# Allegro board com_v1_p3.brd (continued)
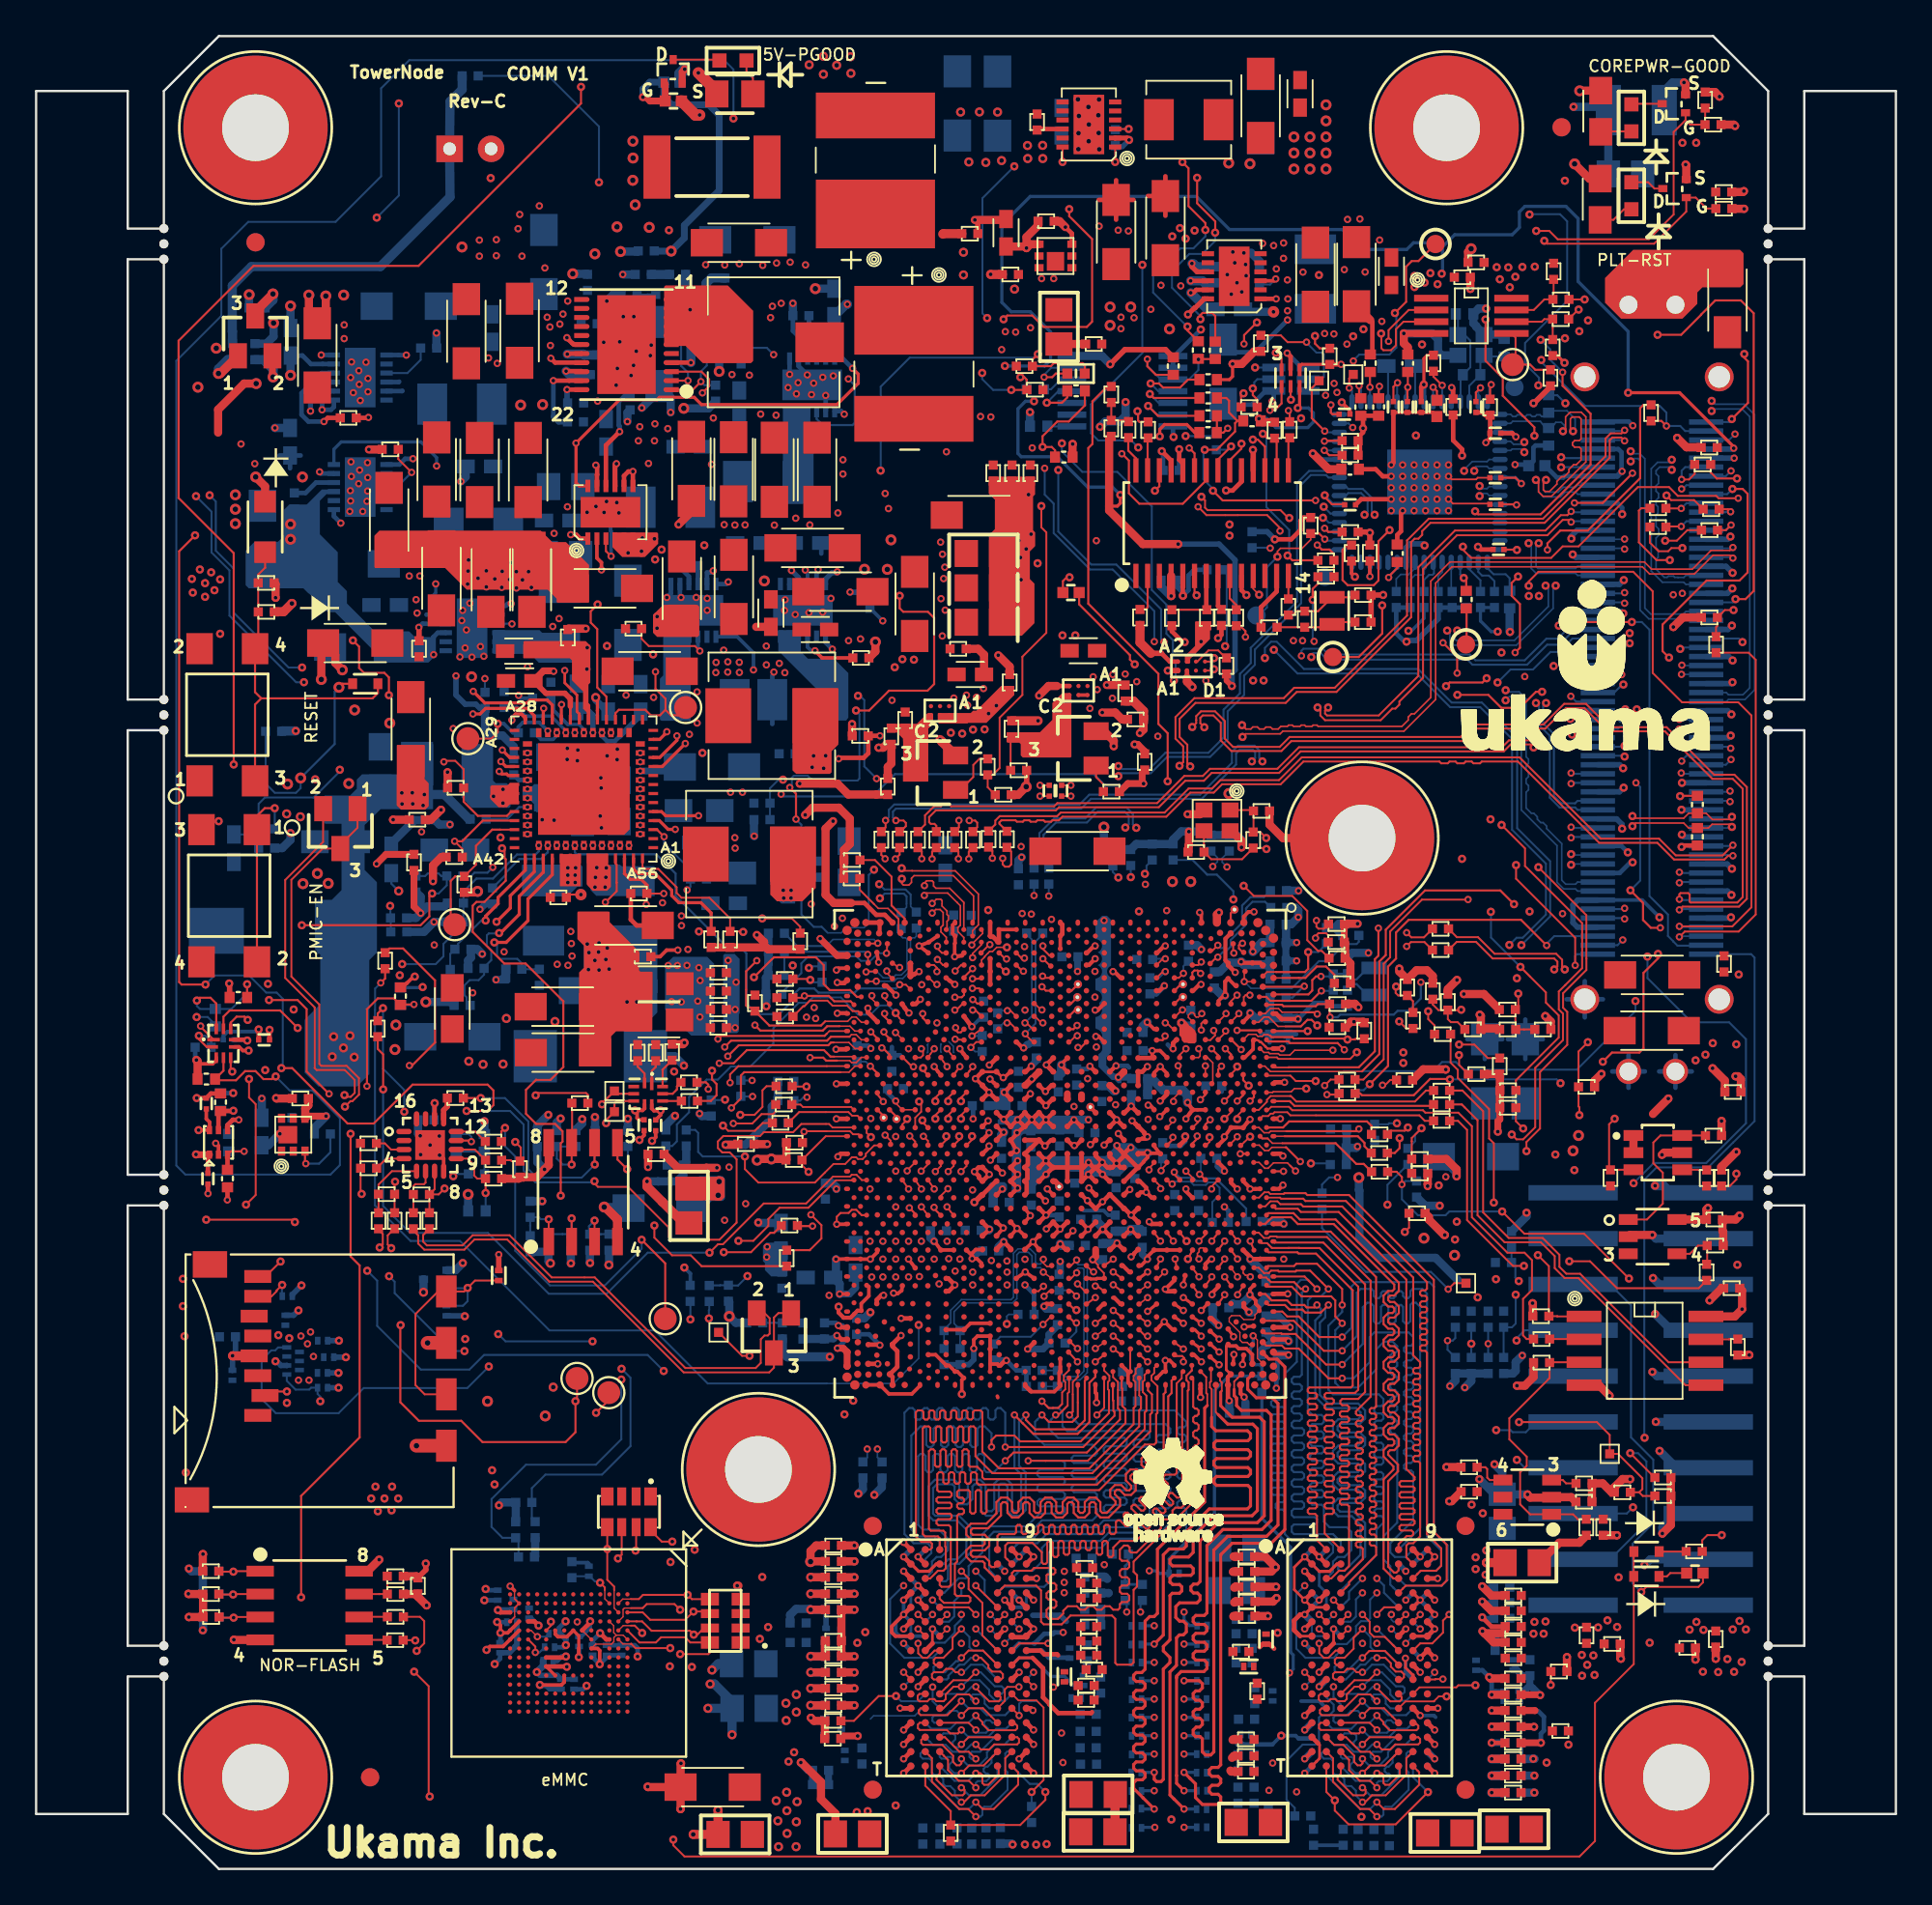
[diagram p0: board, top side]
## Routing (per net, layer and track width the routed paths; a pad name or vN(x,y) marks a point on that pad's centre or on a via; arc(x,y) is an arc through that point) (continued)
PCIE2_CLKP: length 68.5
  TOP w0.112: v1(64.74,63.29) 64.51,63.51 64.51,63.81 64.65,63.94 65.24,63.94 65.65,63.53 65.65,62.56 66.24,61.97 69.01,61.97 69.56,62.52 79.03,62.52 79.73,63.21 83.63,63.21 84.77,64.35 85.79,64.35 87.09,63.06 90.26,63.06 92.89,60.43 94.02,60.43 94.57,59.87 94.57,53.87 94.27,53.57 91.68,53.57 91.63,53.62 91.63,54.01 91.55,54.09 91.13,54.09 91.06,54.03 v2(91.06,53.75) ; U3C1.AK6 54.65,49.77 54.7,49.77 v2(54.71,49.76)
  L8_SIG4 w0.086: 57.97,53.49 57.97,53.48 57.98,53.42 57.95,53.39 57.95,52.56 56.38,50.99 56.38,50.17 56.1,49.89 55.34,49.89 55.17,50.05 55,50.05 v2(54.71,49.76)
  L8_SIG4 w0.119: v1(64.74,63.29) 64.52,63.07 64.52,62.62 64.19,62.29 62.64,62.29 61.92,61.57 59.04,61.57 57.97,60.5 57.97,53.49
  BOTTOM w0.112: J20.67 91.1,53.71 v2(91.06,53.75)
PCIE2_RXN: length 60
  TOP w0.112: v2(51.91,48.19) 51.93,48.19 52.15,47.97 U3C1.AP10
  L3_SIG1 w0.102: v2(51.91,48.19) 51.91,48.19 52.1,47.99 52.42,47.99 53.55,49.12 54.62,49.12 55.13,49.63 55.13,51.54 55.8,52.21 56.93,52.21 57.34,52.62
  L3_SIG1 w0.112: 57.34,53.49 57.34,52.62
  L3_SIG1 w0.119: v2(91.06,55.25) 90.88,55.07 86.78,55.07 86.22,55.63 86.22,57.87 85.66,58.43 82,58.43 76.97,63.45 74.53,63.45 71.36,66.62 66.32,66.62 63.11,63.41 63.11,62.97 60.18,60.04 58.85,60.04 57.34,58.52 57.34,53.49
  BOTTOM w0.112: J20.70 91.1,55.21 v2(91.06,55.25)
PCIE2_RXP: length 60
  TOP w0.112: v2(51.9,47.61) 52.04,47.61 U3C1.AP12
  L3_SIG1 w0.102: 57.55,52.62 57.55,52.6 57.54,52.6 57.54,52.54 57.42,52.41 57.41,52.41 57.01,52.01 55.89,52.01 55.33,51.46 55.33,49.54 54.71,48.92 53.63,48.92 52.5,47.79 52.08,47.79 v2(51.9,47.61)
  L3_SIG1 w0.112: 57.55,52.62 57.55,53.4 57.55,53.4 57.55,53.45 57.58,53.48 57.58,53.49
  L3_SIG1 w0.119: 57.58,53.49 57.58,58.42 58.95,59.8 60.28,59.8 63.35,62.87 63.35,63.29 66.44,66.38 71.26,66.38 74.43,63.21 76.87,63.21 81.9,58.19 85.56,58.19 85.98,57.77 85.98,55.53 86.68,54.83 90.9,54.83 v2(91.06,54.66)
  BOTTOM w0.112: v2(91.06,54.66) 91.1,54.71 J20.69
PCIE2_TXN: length 44.9
  TOP w0.112: C2B31.2 51.14,57.74 v2(51.14,58.12)
  L3_SIG1 w0.119: v2(85.06,57.16) 84.89,57.34 82.53,57.34 82.1,56.91 80.4,56.91 75.08,62.23 70.14,62.23 70.13,62.24 70.08,62.24 67.61,64.72 67.61,65.71 67.61,65.71 v1(67.44,65.88)
  L8_SIG4 w0.119: v1(67.44,65.88) 67.6,65.71 67.6,64.88 67.25,64.53 60.33,64.53 59.36,63.56 56.83,63.56 52.61,59.34 51.98,59.34 51.28,58.65 51.28,58.27 v2(51.14,58.12)
  BOTTOM w0.112: J20.14 85.1,57.21 v2(85.06,57.16)
PCIE2_TXP: length 44.9
  TOP w0.112: C2B32.2 51.92,57.51 52.15,57.75 52.15,58 52.04,58.12 v2(51.71,58.12)
  L3_SIG1 w0.119: v1(68.02,65.88) 67.85,65.71 67.85,64.82 70.2,62.47 75.18,62.47 80.5,57.15 81.99,57.15 82.43,57.59 84.89,57.59 84.89,57.6 84.91,57.6 v2(85.06,57.75)
  L8_SIG4 w0.119: v1(68.02,65.88) 67.86,65.71 67.86,64.77 67.36,64.27 60.43,64.27 59.46,63.3 56.92,63.3 52.7,59.09 52.08,59.09 51.54,58.54 51.54,58.29 v2(51.71,58.12)
  BOTTOM w0.112: J20.15 85.1,57.71 v2(85.06,57.75)
PCIE3_CLKN: length 60.5
  TOP w0.112: U3C1.AM4 53.7,50.44 v2(53.78,50.44)
  L3_SIG1 w0.086: 56.63,53.49 56.63,53.45 56.49,53.31 56.1,53.31 54.2,51.41 54.2,50.3 54.09,50.19 53.98,50.19 53.78,50.39 v2(53.78,50.44)
  L3_SIG1 w0.119: 56.63,53.49 56.63,57.06 54.07,59.62 54.07,60.68 57.09,63.7 57.09,66.12 60.85,69.88 71.29,69.88 75.8,65.38 77.21,65.38 79.17,63.42 82.89,63.42 83.24,63.78 83.24,64.5 v1(83.11,64.63)
  BOTTOM w0.112: J20.17 85.42,58.71 85.28,58.84 84.42,58.84 83.88,59.39 83.88,62.81 83.28,63.41 83.28,64.46 v1(83.11,64.63)
PCIE3_CLKP: length 60.5
  TOP w0.112: v1(53.74,49.75) 53.7,49.75 U3C1.AM6
  L3_SIG1 w0.086: 56.89,53.49 56.9,53.49 56.9,53.48 56.84,53.42 56.84,53.4 56.82,53.38 56.82,53.37 56.57,53.12 56.17,53.12 54.4,51.34 54.4,50.23 54.17,50 53.99,50 v1(53.74,49.75)
  L3_SIG1 w0.119: 56.89,53.49 56.89,53.5 56.89,57.16 54.32,59.73 54.32,60.58 57.34,63.6 57.34,66.02 60.96,69.64 71.18,69.64 75.68,65.14 77.11,65.14 79.07,63.18 83.01,63.18 83.5,63.67 83.5,64.45 v1(83.67,64.63)
  BOTTOM w0.112: v1(83.67,64.63) 83.51,64.46 83.51,63.5 84.11,62.9 84.11,59.48 84.52,59.07 85.28,59.07 85.42,59.21 J20.18
PCIE3_RXN: length 60.6
  TOP w0.112: v2(51.89,49.35) 52.34,49.35 U3C1.AP7
  L3_SIG1 w0.086: 54.03,53.49 54.03,52.17 53.23,51.38 53.23,50.29 53.23,50.23 53.21,50.21
  L3_SIG1 w0.102: v2(51.89,49.35) 52.03,49.2 52.21,49.2 53.21,50.21
  L3_SIG1 w0.119: 54.03,53.49 54.03,53.74 55.12,54.83 55.12,57.23 53.47,58.88 53.47,60.87 56.41,63.81 56.41,66.45 61.27,71.31 70.94,71.31 75.25,67 82.78,67 84.35,65.43 84.35,60.87 84.64,60.58 84.89,60.58 v2(85.06,60.75)
  BOTTOM w0.112: J20.21 85.1,60.71 v2(85.06,60.75)
PCIE3_RXP: length 60.6
  TOP w0.112: U3C1.AP9 52.26,48.81 v2(51.89,48.81)
  L3_SIG1 w0.086: 54.28,53.49 54.28,53.39 54.21,53.32 54.21,52.1 53.42,51.3 53.42,50.22 53.42,50.08 53.37,50.04
  L3_SIG1 w0.102: v2(51.89,48.81) 52.04,48.97 52.31,48.97 53.37,50.04
  L3_SIG1 w0.119: v2(85.06,60.16) 84.9,60.33 84.53,60.33 84.11,60.75 84.11,65.31 82.67,66.74 75.15,66.74 70.83,71.06 61.38,71.06 56.66,66.35 56.66,63.71 53.72,60.76 53.72,58.99 55.38,57.33 55.38,54.89 55.38,54.73 54.28,53.63 54.28,53.49
  BOTTOM w0.112: J20.20 85.1,60.21 v2(85.06,60.16)
PCIE3_TXN: length 47
  TOP w0.112: C2156.2 53.38,57.93 53.38,58.02 53.49,58.13 54.27,58.13 54.35,58.05 54.68,58.05 54.76,58.13 55.04,58.13 55.04,58.13 55.12,58.05 55.4,58.05 55.49,58.13 55.83,58.13 55.91,58.05 56.24,58.05 56.32,58.13 56.68,58.13 56.88,58.33 62.63,58.33 63.96,59.66 65.26,59.66 65.72,60.13 68.97,60.13 70.23,61.39 77.76,61.39 77.86,61.29 78.23,61.29 78.32,61.39 78.66,61.39 78.75,61.29 79.12,61.29 79.22,61.39 79.55,61.39 79.65,61.29 80.01,61.29 80.11,61.39 82.11,61.39 86.62,56.88 89.84,56.88 90.77,55.96 93.55,55.96 93.76,56.16 v2(94.03,56.16)
  BOTTOM w0.112: J20.72 93.98,56.21 v2(94.03,56.16)
PCIE3_TXNC: length 11.5
  TOP w0.102: U3C1.AP4 52.82,51.24 v2(52.85,51.24)
  TOP w0.112: v2(53.56,56.02) 53.56,55.69 53.69,55.56 53.91,55.56 54.03,55.68 54.03,56.39 C2156.1
  L5_SIG2 w0.104: v2(53.56,56.02) 53.4,56.19 53.41,56.84 53.16,57.09 52.41,57.09 52.17,56.84 52.17,55.4 53.48,54.08 53.48,52.32 53.23,52.07 53.23,51.34 53.13,51.24 v2(52.85,51.24)
PCIE3_TXP: length 47
  TOP w0.112: C2157.2 52.79,57.53 53.15,57.9 53.15,58.11 53.4,58.36 56.58,58.36 56.78,58.56 62.53,58.56 63.87,59.89 65.16,59.89 65.63,60.35 68.87,60.35 70.13,61.62 82.2,61.62 86.71,57.11 89.94,57.11 90.86,56.18 93.46,56.18 v2(94.03,56.75)
  BOTTOM w0.112: v2(94.03,56.75) 93.98,56.71 J20.73
PCIE3_TXPC: length 10.8
  TOP w0.089: U3C1.AP6 52.39,50.38 52.57,50.56 52.57,50.59 52.84,50.86 53,50.86 53.23,51.09 v1(53.8,51.09)
  TOP w0.112: v2(52.99,56.03) 52.99,56.43 C2157.1
  L5_SIG2 w0.104: v1(53.8,51.09) 53.47,51.41 53.47,51.97 53.72,52.22 53.72,54.18 52.41,55.5 52.41,56.74 52.51,56.85 53.06,56.85 53.16,56.74 53.16,56.19 v2(52.99,56.03)
PCU_RXD: length 96.9
  TOP w0.119: U7177.4 32.2,42.97 TP2C5.1 31.36,42.43 v1(31.36,42.39)
  L8_SIG4 w0.102: v2(62.5,68.01) 62.3,67.82 62.3,66.04 63.04,65.3 63.04,65.3 63.26,65.08 66.47,65.08 66.68,65.28 66.68,66.34 66.95,66.61 70.02,66.61 70.25,66.84 70.25,67.11 v2(70.12,67.25) ; v1(31.36,42.39) 31.36,48.01 32.35,49 32.35,52.87 34.74,55.26 39.78,55.26 40.53,56 42.96,56 45.19,58.23 45.19,58.51 47.63,60.96 47.63,64.44 52.93,69.74 52.93,76.01 54.95,78.03 56.3,78.03 56.64,77.69 v1(56.64,77.55)
  BOTTOM w0.109: J20.38 85.33,69.21 84.32,68.2 83.69,68.2 82.49,67 79.77,67 79.44,67.32 71.62,67.32 71.3,67.64 70.23,67.64 70.12,67.53 v2(70.12,67.25) ; v1(56.64,77.55) 56.64,74.13 58.47,72.31 59.86,72.31 62.34,69.83 62.34,68.17 v2(62.5,68.01)
PCU_RXD_1P8: length 1.4
  TOP w0.119: U7177.9 35.27,42.97 35.51,43.21 35.51,43.38 R11156.2
PCU_TXD: length 96.7
  TOP w0.119: v1(31.59,41.34) 31.59,41.51 TP2C4.1 32.05,42.44 32.17,42.57 U7177.5
  L8_SIG4 w0.102: v1(31.59,41.34) 31.88,41.63 31.88,48.16 32.69,48.98 32.69,52.88 34.84,55.03 39.91,55.03 40.65,55.77 43.05,55.77 45.42,58.14 45.42,58.41 47.86,60.85 47.86,64.27 53.15,69.57 53.15,75.92 54.88,77.64 v2(55.89,77.64) ; v1(70.66,67.18) 70.5,67.01 70.5,66.73 70.12,66.35 67.09,66.35 66.97,66.22 66.97,65.16 66.64,64.83 63.16,64.83 61.97,66.02 v2(61.97,68.03)
  BOTTOM w0.109: v2(55.89,77.64) 55.89,76.18 56.39,75.68 56.39,74.05 58.41,72.03 59.66,72.03 61.97,69.72 v2(61.97,68.03) ; J20.37 85.26,68.71 84.41,67.86 83.73,67.86 82.62,66.75 79.59,66.75 79.31,67.04 71.54,67.04 71.18,67.4 70.77,67.4 70.66,67.29 v1(70.66,67.18)
PCU_TXD_1P8: length 1
  TOP w0.119: U7177.8 35.76,42.57 R11157.2
PE_TN: length 29.5
  TOP w0.091: C2M24.2 v2(55.63,60.07)
  L3_SIG1 w0.119: v2(55.63,60.07) 56.28,60.07 56.4,60.19 56.4,60.67 61.67,65.94 61.67,66.59 62.96,67.88 62.96,68.62 63.36,69.02 69.65,69.02 70.05,68.62 70.05,68.22 v2(70.18,68.09)
  L8_SIG4 w0.119: v1(71.31,74.9) 71.13,75.08 70.76,75.08 70.43,74.74 70.43,71.2 70.05,70.83 70.05,68.22 v2(70.18,68.09)
  BOTTOM w0.109: U2M2.20 71.64,74.63 71.37,74.9 v1(71.31,74.9)
PE_TP: length 29
  TOP w0.091: C2M9.2 v2(57.34,60.07)
  L3_SIG1 w0.119: v2(69.67,68.09) 69.81,68.23 69.81,68.52 69.55,68.78 63.46,68.78 63.2,68.52 63.2,67.78 61.91,66.49 61.91,65.84 56.64,60.57 56.64,60.22 56.79,60.07 v2(57.34,60.07)
  L8_SIG4 w0.119: v1(71.35,75.51) 71.16,75.32 70.66,75.32 70.19,74.84 70.19,71.3 69.81,70.93 69.81,68.23 v2(69.67,68.09)
  BOTTOM w0.109: U2M2.21 71.73,75.13 v1(71.35,75.51)
PE_WAKE_N: length 1.8
  TOP w0.203: R2M27.2 72.9,71.82 v1(73.08,71.63)
  BOTTOM w0.203: U2M2.16 72.9,72.42 72.9,71.81 v1(73.08,71.63)
PLTRST_3P3_N: length 70
  TOP w0.109: v2(91.06,52.25) 94,52.25 95.05,53.31 95.05,63.94 94.32,64.67 91.21,64.67 89.59,66.3 89.59,70.82 88.5,71.9 83.25,71.9 82.71,71.37 v1(82.71,71.13)
  TOP w0.119: U3A5.16 68.74,79.19 R3C1.2 68.23,79.31 v1(67.98,79.55) ; v1(69.35,72.8) 69.61,72.54 R2M26.1
  L3_SIG1 w0.102: v1(67.98,79.55) 68,79.55 68.05,79.5 68.4,79.5 68.75,79.85 68.75,81.07 68.88,81.19 68.88,81.9 v1(67.55,83.23)
  L5_SIG2 w0.099: v1(69.35,72.8) 69.44,72.71 69.44,69.84 69.65,69.63 80.94,69.63 82.44,71.13 v1(82.71,71.13)
  BOTTOM w0.091: J20.64 91.1,52.21 v2(91.06,52.25)
  BOTTOM w0.109: v1(67.98,79.55) 67.98,79.53 68.18,79.33 68.18,75.49 69.44,74.23 69.44,72.89 v1(69.35,72.8) ; v1(67.55,83.23) 67.55,83.23 Q2N1.3
PMIC_EN: length 50.5
  TOP w0.119: 34.88,64.26 35.18,63.95 35.56,63.95 TP130.1 ; 34.88,64.26 34.57,63.95 34.06,63.95 33.76,64.26 32.29,64.26 32.11,64.07 U2B3.A18 ; 34.88,64.26 34.88,64.87 34.32,65.42 v2(34.32,66.36)
  L3_SIG1 w0.102: v2(34.32,66.36) 33.57,67.11 33.57,69.65 32.02,71.2 28.97,71.2 27.1,73.08 20.34,73.08 14.26,67 14.26,64.14 15.99,62.41 16.02,62.41 16.83,61.6 v1(16.83,60.93)
  BOTTOM w0.109: R11231.1 12.33,59.04 12.68,59.39 15.38,59.39 16.83,60.84 v1(16.83,60.93) ; R11231.1 12.02,57.34 C2040.1 ; R11231.1 12.33,57.19 12.33,57.19 R10809.2
PMIC_PWRBTNIN: length 15.8
  TOP w0.457: v2(42.32,60.16) 42.32,60.16 44.41,60.16 45.01,59.56 46.56,59.56 46.56,59.56 R1P17.2
  L8_SIG4 w0.119: v3(33.48,57.86) 34.37,57.86 37.44,60.94 42,60.94 42.32,60.62 v2(42.32,60.16)
PMU_AC_PRESENT: length 10.3
  TOP w0.109: R3C8.1 75.04,43.73 74.75,43.45 v2(74.61,43.45)
  TOP w0.119: U3C1.D20 66.89,42.9 v2(66.56,42.57)
  L3_SIG1 w0.119: v2(66.56,42.57) 67.06,42.07 73.23,42.07 v2(74.61,43.45)
POWER_RECYCLE_H: length 53.8
  TOP w0.109: R3B23.2 93.39,37.86 R11267.1 93.86,37.86 94.22,38.22 v1(94.22,38.54)
  TOP w0.119: v1(93.97,80.37) 94.86,81.27 94.86,83.57 94.66,83.77 v1(94.66,83.98)
  L5_SIG2 w0.099: v1(94.22,38.54) 95.27,39.58 95.27,83.16 94.66,83.77 v1(94.66,83.98)
  BOTTOM w0.109: v1(93.97,80.37) 93.97,80.36 93.81,80.21 J20.120
POWER_RECYCLE_L: length 48.2
  TOP w0.109: U9002.3 87.71,38.76 87.7,38.75 R11264.2 87.17,38.83 87.17,41.28 v1(87.47,41.59)
  TOP w0.119: v1(70.46,46.45) U3C1.A13
  L8_SIG4 w0.102: 67.07,44.86 66.39,44.86 66.12,44.59 66.12,44.14 65.26,43.28
  L8_SIG4 w0.119: 67.07,44.86 68.66,46.45 v1(70.46,46.45) ; 65.26,43.28 65.26,42.24 65.43,42.07 65.43,41.13 65.29,40.99 64.63,40.99 64.63,40.99 63.49,40.99 63.41,40.92 62.82,40.92 62.64,40.75 62.64,40.72 62.63,40.71 62.63,39.99 63.02,39.6 66.06,39.6 66.44,39.23 67.33,39.23 68.54,40.43 71.29,40.43 72.14,39.58 76.44,39.58 76.94,39.09 82.8,39.09 83.16,39.45 83.16,39.45 83.23,39.52 83.23,40.36 83.56,40.69 83.56,41.19 85.03,42.66 87.12,42.66 87.47,42.3 v1(87.47,41.59)
RJ45_LED_STATUS: length 58.3
  TOP w0.119: v1(90.49,67.15) 90.13,67.5 90.13,68.98 92.57,71.42 94.39,71.42 94.84,71.87 94.84,76.23 94.57,76.5 v1(94,76.5) ; R2A19.2 73.37,42.99 73.47,42.89 76.35,42.89 77.25,43.79 78.32,43.79 v1(78.34,43.77) ; v1(86.82,44.75) 87.33,45.25 88.84,45.25 89.07,45.48 89.07,49.67 89.88,50.47 v1(89.88,50.72)
  L5_SIG2 w0.099: v1(90.49,67.15) 90.49,66.28 93.29,63.47 93.29,54.69 92.73,54.13 90.5,54.13 89.48,53.11 89.48,51.12 v1(89.88,50.72)
  L8_SIG4 w0.102: v1(84.47,43.55) 85.03,44.11 86.01,44.11 86.64,44.75 v1(86.82,44.75)
  BOTTOM w0.109: J20.112 93.71,76.21 v1(94,76.5) ; v1(78.34,43.77) 84.26,43.77 v1(84.47,43.55)
RSET: length 1.9
  TOP w0.119: v2(80.63,82.28) 80.57,82.22 R2M59.1
  BOTTOM w0.109: v2(80.63,82.28) 80.53,82.18 80.53,81.44 U2M2.48
SATA_LED_N: length 62.5
  TOP w0.119: v2(49.13,47.41) 49.13,47.18 49.35,46.96 U3C1.AY12
  L3_SIG1 w0.086: v2(49.13,47.41) 48.52,48.03 46.27,48.03 46.24,48.06 45.91,48.06 45.63,48.35 45.63,50.89 45.62,50.9 45.62,53.49
  L3_SIG1 w0.102: v2(85.05,65) 85.05,65.12 82.33,67.83 81.35,67.83 81.2,67.69 v1(81.2,67.43) ; 45.62,53.49 45.62,53.79 45.22,54.19 45.22,56.14 46.29,57.22 47.77,57.22 50.49,59.94 50.49,60.99 52.56,63.06 52.56,63.17 v1(52.56,63.17)
  L5_SIG2 w0.099: v1(81.2,67.43) 77.91,67.43 77.44,66.95 72.91,66.95 71.21,68.65 68.21,68.65 66.86,67.3 65.71,67.3 65.41,67.6 63.91,67.6 63.63,67.33 56.72,67.33 v1(52.56,63.17)
  BOTTOM w0.109: J20.29 85.34,64.71 v2(85.05,65)
SATA_RXN0: length 72.8
  TOP w0.102: v2(50.48,44.48) 50.27,44.76 U3C1.AV16
  L3_SIG1 w0.086: v2(50.48,44.48) 50.87,44.87 52.23,44.87 52.6,45.25 52.6,47.15 53.71,48.26 56.77,48.26 57.11,48.61 57.11,50.15 57.95,50.98 58.73,51.76
  L3_SIG1 w0.112: 59.92,53.49 59.92,52.29 59.56,51.93 58.89,51.93 58.73,51.76
  L3_SIG1 w0.119: v1(91.06,63.75) 91.23,63.58 91.67,63.58 92.02,63.23 92.02,62.62 91.62,62.22 90.65,62.22 89.85,61.43 89.85,57.07 90.69,56.23 91.49,56.23 91.93,55.8 91.93,51.55 91.93,51.54 91.93,51.43 90.25,49.75 88.5,49.75 83.85,54.4 79,54.4 78.34,53.74 78.32,53.74 78.31,53.72 72.24,53.72 72.23,53.74 72.21,53.74 70.76,55.18 67.1,55.18 66.27,56.01 59.79,56.01 59.29,55.51 59.29,54.19 59.92,53.56 59.92,53.49
  BOTTOM w0.091: v1(91.06,63.75) 91.1,63.71 J20.87
SATA_RXN1: length 87.2
  TOP w0.102: v2(49.06,45.47) 49.15,45.37 49.15,45.1 49.02,44.98 U3C1.BA16
  L3_SIG1 w0.119: v1(83.65,71.14) 83.81,71.29 83.81,71.88 84.22,72.3 86.28,72.3 86.47,72.48 86.47,74.98 87.4,75.9 88.26,75.9 89.42,77.07 89.42,78.56 89.75,78.89 91.03,78.89 91.46,78.46 91.46,77.93 91.24,77.71 90.79,77.71 v1(90.64,77.56)
  L8_SIG4 w0.086: 63.75,52.78 63.75,53.13 64,53.38 ; 52.69,45.2 52.5,45.2 52.14,44.84 49.6,44.84 49.41,45.04 49.41,45.12 v2(49.06,45.47)
  L8_SIG4 w0.088: 64.11,53.49 64,53.38
  L8_SIG4 w0.102: 52.69,45.2 53.76,45.2 54.04,44.93 59.47,44.93 60.98,46.44 60.98,50.72 62.55,52.29 63.26,52.29 63.75,52.78
  L8_SIG4 w0.119: v1(78.75,68.65) 78.59,68.49 78.59,66.75 77.15,65.31 77.14,65.31 76.88,65.05 70.49,65.05 69.08,63.65 69.08,55.89 68.8,55.6 67.4,55.6 66.49,54.7 65.87,54.7 65.47,55.1 65.47,55.3 v2(65.2,55.57) 65.47,55.84 65.47,56.2 65.38,56.29 64.76,56.29 64.51,56.04 64.51,55.55 64.73,55.33 64.73,54.11 64.11,53.49
  BOTTOM w0.091: v2(65.2,55.57) 65.46,55.83 65.46,56.06 R2N18.1 ; v1(78.75,68.65) 78.61,68.5 78.61,68.19 78.7,68.1 81.92,68.1 83.8,69.99 83.8,70.98 v1(83.65,71.14) ; J20.103 91.42,71.71 91.31,71.59 90.99,71.59 90.98,71.6 90.8,71.6 90.74,71.66 90.45,71.66 90.38,71.6 90.22,71.6 89.77,72.05 89.77,72.59 89.88,72.71 89.88,73.13 89.77,73.24 89.77,73.78 89.91,73.93 89.91,74.28 89.77,74.42 89.77,75.05 89.88,75.16 89.88,75.51 89.77,75.62 89.77,75.87 89.91,76.01 89.91,76.24 89.77,76.38 89.77,76.67 89.91,76.8 89.91,77.2 89.77,77.34 89.77,77.51 89.96,77.71 90.49,77.71 v1(90.64,77.56)
SATA_RXP0: length 72.7
  TOP w0.102: U3C1.AU16 50.68,45.18 v2(50.48,45.47)
  L3_SIG1 w0.086: v2(50.48,45.47) 50.21,45.2 50.21,45.04 50.28,44.96 50.68,44.96 50.78,45.06 52.15,45.06 52.42,45.33 52.42,47.23 53.64,48.45 56.69,48.45 56.92,48.69 56.92,50.22 58.53,51.83 58.53,51.86 58.58,51.91
  L3_SIG1 w0.112: 58.58,51.91 58.8,52.14 59.47,52.14 59.71,52.38 59.71,53.43 59.71,53.43
  L3_SIG1 w0.119: 59.71,53.43 59.05,54.09 59.05,55.61 59.69,56.25 66.39,56.25 66.42,56.22 67.21,55.43 70.86,55.43 72.32,53.97 78.21,53.97 78.88,54.64 83.96,54.64 88.62,49.99 90.13,49.99 91.69,51.55 91.69,55.7 91.39,55.99 90.59,55.99 89.61,56.97 89.61,61.53 90.55,62.46 91.52,62.46 91.78,62.72 91.78,63.13 91.59,63.32 91.22,63.32 v1(91.06,63.16)
  BOTTOM w0.091: J20.86 91.1,63.21 v1(91.06,63.16)
SATA_RXP1: length 86.1
  TOP w0.102: U3C1.AY16 49.55,45.17 v2(49.77,45.47)
  L3_SIG1 w0.119: v1(84.21,71.14) 84.05,71.29 84.05,71.78 84.32,72.05 86.38,72.05 86.71,72.38 86.71,74.88 87.5,75.66 88.37,75.66 89.67,76.97 89.67,78.44 89.87,78.64 90.87,78.64 91.2,78.3 91.2,78.04 91.13,77.97 90.78,77.97 v1(90.64,78.11)
  L8_SIG4 w0.086: 52.69,45.41 52.68,45.41 52.67,45.4 52.61,45.4 52.6,45.39 52.42,45.39 52.06,45.03 49.68,45.03 49.59,45.12 49.59,45.29 v2(49.77,45.47) ; 63.52,52.83 63.56,52.88 63.56,53.3 63.75,53.49
  L8_SIG4 w0.102: 63.52,52.83 63.35,52.66 63.18,52.49 62.47,52.49 60.78,50.8 60.78,46.53 59.38,45.13 54.12,45.13 53.85,45.41 52.69,45.41
  L8_SIG4 w0.119: v1(78.19,68.65) 78.35,68.49 78.35,66.87 76.9,65.42 76.9,65.41 76.78,65.29 70.39,65.29 68.84,63.75 68.84,55.99 68.71,55.86 67.31,55.86 66.39,54.94 65.97,54.94 65.75,55.16 65.75,55.31 v2(65.99,55.54) 65.72,55.81 65.72,56.3 65.5,56.53 64.65,56.53 64.23,56.11 64.23,55.48 64.49,55.21 64.49,54.23 63.75,53.49
  BOTTOM w0.091: v2(65.99,55.54) 65.73,55.81 65.73,56.03 R2N19.1 ; v1(84.21,71.14) 84.07,71 84.07,69.87 82.03,67.83 78.59,67.83 78.34,68.08 78.34,68.5 v1(78.19,68.65) ; v1(90.64,78.11) 90.5,77.97 89.85,77.97 89.5,77.62 89.5,71.94 90.12,71.32 91.31,71.32 91.42,71.21 J20.102
SATA_TXN0: length 89.8
  L3_SIG1 w0.119: v1(46.72,54.59) 46.43,54.3 46.16,54.3 45.98,54.48 45.98,55.89 46.63,56.54 47.92,56.54 50.97,59.59 50.97,59.6 51.22,59.85 51.22,60.83 53.97,63.59 53.97,63.63 53.99,63.64 53.99,67.75 56.83,70.59 58.03,70.59 58.23,70.59 60.42,72.78 66.05,72.78 66.85,73.59 66.85,75.15 70.33,78.63 70.33,78.63 70.99,79.29 70.99,82.07 71.7,82.77 83.88,82.77 85.69,80.96 92.71,80.96 v1(92.85,80.82)
  BOTTOM w0.086: 48.46,53.49 48.46,53.35 C2153.1
  BOTTOM w0.091: v1(92.85,80.82) 92.96,80.93 94.53,80.93 94.96,80.5 94.96,65.47 94.58,65.09 93.78,65.09 93.66,65.21 J20.90
  BOTTOM w0.112: 48.46,53.49 48.46,54.01 48.18,54.29 47.01,54.29 v1(46.72,54.59)
SATA_TXN1: length 55.8
  TOP w0.091: v1(66.83,63.4) 66.97,63.26 66.98,63.26 67.05,63.19 67.31,63.19 67.43,63.3 67.68,63.3 67.79,63.19 68.05,63.19 68.15,63.29 68.4,63.29 68.51,63.19 68.83,63.19 68.98,63.34 69.34,63.34 69.4,63.4 69.61,63.4 69.68,63.34 70.04,63.34 70.11,63.4 70.29,63.4 70.36,63.34 70.7,63.34 70.77,63.4 70.98,63.4 71.05,63.34 75.68,63.34 76.04,63.69 76.04,63.85 76.21,64.03 76.38,64.03 77.29,64.94 77.29,71.39 78.35,72.45 89.13,72.45 89.52,72.05 91.78,72.05 92.81,73.09 93.86,73.09 v2(94.03,73.25)
  L8_SIG4 w0.119: v1(66.83,63.4) 66.61,63.19 65.9,63.19 64.61,61.89 62.72,61.89 61.87,61.04 61.2,61.04 60.54,60.38 60.54,57.91 v1(60.36,57.73)
  BOTTOM w0.091: J20.106 93.98,73.21 v2(94.03,73.25)
  BOTTOM w0.112: C2155.1 56.12,55.92 55.83,56.21 55.83,57.32 56.51,58.01 58.23,58.01 58.84,58.61 60.32,58.61 60.55,58.39 60.55,57.92 v1(60.36,57.73)
SATA_TXP0: length 91.1
  L3_SIG1 w0.119: v1(46.76,53.8) 46.53,54.03 46.09,54.03 45.74,54.38 45.74,55.99 46.53,56.78 47.82,56.78 50.73,59.69 50.73,59.7 50.96,59.93 50.96,60.91 53.73,63.69 53.73,67.84 56.73,70.84 58.13,70.84 60.32,73.03 65.95,73.03 66.61,73.69 66.61,75.26 70.75,79.4 70.75,82.17 71.6,83.02 83.98,83.02 85.79,81.2 92.68,81.2 v1(92.85,81.38)
  BOTTOM w0.086: C1833.1 48.24,53.31 48.24,53.49
  BOTTOM w0.091: J20.89 93.66,64.71 93.78,64.82 94.69,64.82 95.23,65.36 95.23,80.61 94.64,81.2 93.04,81.2 93.02,81.22 93.01,81.22 v1(92.85,81.38)
  BOTTOM w0.112: v1(46.76,53.8) 47.02,54.06 48.08,54.06 48.24,53.91 48.24,53.49
SATA_TXP1: length 55.7
  TOP w0.091: v2(94.03,72.66) 93.87,72.82 92.93,72.82 91.89,71.79 89.41,71.79 89.01,72.18 78.46,72.18 77.55,71.28 77.55,64.83 75.8,63.07 69.09,63.07 68.94,62.92 67.02,62.92 v1(66.85,62.75)
  L8_SIG4 w0.119: v1(60.97,57.71) 60.78,57.9 60.78,60.28 61.3,60.8 61.98,60.8 62.82,61.64 64.76,61.64 66.07,62.95 66.65,62.95 v1(66.85,62.75)
  BOTTOM w0.091: v2(94.03,72.66) 93.98,72.71 J20.105
  BOTTOM w0.112: v1(60.97,57.71) 60.78,57.9 60.78,58.48 60.42,58.84 58.74,58.84 58.13,58.23 56.42,58.23 55.6,57.41 55.6,56.21 55.3,55.91 C2154.1
SD1_CD_V: length 58.9
  TOP w0.102: U3C1.BC24 48,41.27 48.27,41.53 v1(48.27,41.57)
  TOP w0.109: CN1.10 21.53,26.31 21.02,26.82 21.02,30.76 22.28,32.01 CN1.9 23.72,32.01 v1(23.91,32.21) 24.32,32.62 R185.2
  L3_SIG1 w0.102: 43.82,41.56 43.82,38.49 43.28,37.95 40.22,37.95 38.64,39.53 28.18,39.53 24.4,35.75 24.4,32.7 v1(23.91,32.21) ; 43.82,41.56 44.34,42.09 47.75,42.09 v1(48.27,41.57) ; 43.82,41.56 43.38,42.01 42.95,42.01 42.2,42.76 42.2,49.32 v1(42.82,49.95)
  BOTTOM w0.109: R11261.1 23.65,31.22 23.91,31.48 v1(23.91,32.21) 23.89,32.19 D1.2 ; v1(42.82,49.95) 42.91,50.04 R2N26.1
SD1_CLK_V: length 56.8
  TOP w0.102: v2(49.17,40.61) 49.42,40.36 U3C1.AY26
  L3_SIG1 w0.102: v1(25.09,27.85) 24.65,27.85 24.42,27.62 24.22,27.62 24.07,27.78 24.07,28.31 24.2,28.44 24.39,28.44 24.92,28.98 25.46,28.98 25.61,29.12 25.75,29.12 25.98,28.89 26.13,28.89 26.27,29.03 26.27,29.18 26.04,29.41 26.04,29.55 26.18,29.69 26.33,29.69 26.56,29.46 26.7,29.46 27.27,30.03 27.56,30.03 27.66,29.93 27.66,29.5 27.76,29.39 27.96,29.39 28.07,29.5 28.07,29.93 28.17,30.03 28.37,30.03 28.47,29.93 28.47,29.5 28.57,29.39 28.78,29.39 28.88,29.5 28.88,29.93 28.98,30.03 29.18,30.03 29.28,29.93 29.28,29.5 29.39,29.39 29.59,29.39 29.69,29.5 29.69,29.93 29.79,30.03 30.3,30.03 35.68,35.42 36.47,35.42 36.57,35.31 36.57,34.94 36.67,34.84 36.88,34.84 36.98,34.94 36.98,35.31 37.08,35.42 37.28,35.42 37.38,35.31 37.38,34.94 37.48,34.84 37.69,34.84 37.79,34.94 37.79,35.31 37.89,35.42 41.43,35.42 42.82,36.81 46.12,36.81 47.18,37.87 47.18,38.78 48.73,40.33 48.89,40.33 v2(49.17,40.61)
  BOTTOM w0.109: v1(25.09,27.85) 23.89,26.66 18.16,26.66 16.76,25.26 13.28,25.26 12.5,26.05 12.5,28.21 13.03,28.75 13.25,28.75 13.41,28.91 U11.4
  vias: v1(13.42,29.59) v1(14.03,29.42)
SD1_CMD_V: length 50.8
  TOP w0.102: v2(49.83,38.66) 50.14,38.96 U3C1.AV28
  L3_SIG1 w0.102: v2(15.04,29.11) 15.82,29.11 17.92,27.01 18.17,27.01 18.27,27.11 18.27,28.51 18.37,28.61 18.58,28.61 18.68,28.51 18.68,27.11 18.78,27.01 19.06,27.01 19.16,27.11 19.16,28.01 19.26,28.11 19.47,28.11 19.57,28.01 19.57,27.11 19.67,27.01 26.52,27.01 27.39,27.89 27.39,28.45 27.5,28.55 27.7,28.55 27.8,28.45 27.8,27.89 27.9,27.79 28.1,27.79 28.21,27.89 28.21,28.45 28.31,28.55 28.51,28.55 28.61,28.45 28.61,27.89 28.71,27.79 28.92,27.79 29.02,27.89 29.02,28.45 29.12,28.55 29.32,28.55 29.43,28.45 29.43,27.89 29.53,27.79 30.06,27.79 34.23,31.96 34.23,32.85 35.35,33.97 36.44,33.97 36.92,33.5 40.87,33.5 42.07,34.7 44.66,34.7 48.01,38.05 49.22,38.05 v2(49.83,38.66)
  vias: v2(14.68,29.54) v2(15.21,29.77)
SD1_DATA0_V: length 51.9
  TOP w0.102: v2(51.26,38.66) 51.56,38.96 U3C1.AT28
  TOP w0.109: v1(13.63,32.37) 13.33,32.06 13.33,32.02 13.04,31.74 CN1.7
  L3_SIG1 w0.102: v1(13.63,32.37) 14.49,31.51 16.94,31.51 17.71,30.74 17.85,30.74 18.13,31.02 18.28,31.02 18.42,30.88 18.42,30.73 18.14,30.46 18.14,30.31 18.29,30.17 18.43,30.17 18.71,30.45 18.85,30.45 19,30.3 19,30.16 18.72,29.88 18.72,29.74 18.86,29.59 19,29.59 19.28,29.87 19.43,29.87 19.57,29.73 19.57,29.59 19.29,29.31 19.29,29.16 19.43,29.02 19.58,29.02 19.86,29.3 20,29.3 20.14,29.15 20.14,29.01 19.87,28.73 19.87,28.59 21.12,27.34 25.59,27.34 27.32,29.06 29.86,29.06 35,34.2 36.57,34.2 37.04,33.73 38.56,33.73 39.79,34.96 44.64,34.96 47.93,38.25 49.12,38.25 49.48,38.61 49.48,38.81 49.69,39.02 50.9,39.02 v2(51.26,38.66)
  BOTTOM w0.109: R20.1 13.62,31.77 13.62,32.36 v1(13.63,32.37)
SD1_DATA1_V: length 55.6
  TOP w0.102: v2(47.05,40.68) 47.35,40.37 U3C1.BD26
  TOP w0.109: CN1.8 12.71,32.84 v1(13.55,33.67)
  L3_SIG1 w0.102: v1(23.78,29.38) 25.74,31.33 30.78,31.33 36.07,36.63 38.56,36.63 38.72,36.47 40.24,36.47 41.03,37.26 41.12,37.26 44.66,37.26 47.05,39.65 v2(47.05,40.68)
  L8_SIG4 w0.102: v1(13.55,33.67) 12.44,32.56 12.44,26.1 13.41,25.12 14.95,25.12 v1(15.75,25.92) 19.92,25.92 23.37,29.38 v1(23.78,29.38)
  BOTTOM w0.109: v1(15.75,25.92) 15.75,26.18 15.6,26.33 R22.1 15.24,26.68 15.13,26.57 14.38,26.57 13.89,27.06 U11.1
SD1_DATA2_V: length 52.9
  TOP w0.102: v2(50.54,38.66) 50.85,38.96 U3C1.AU28
  L3_SIG1 w0.102: v2(50.54,38.66) 50.88,38.32 50.88,37.56 50.64,37.32 47.6,37.32 44.75,34.47 42.26,34.47 41.06,33.27 36.78,33.27 36.3,33.74 35.44,33.74 34.49,32.79 34.49,31.44 30.29,27.24 27.75,27.24 27.13,26.62 23.2,26.62 23.1,26.52 23.1,25.8 23,25.7 22.79,25.7 22.69,25.8 22.69,26.52 22.59,26.62 22.39,26.62 22.28,26.52 22.28,25.8 22.18,25.7 21.98,25.7 21.88,25.8 21.88,26.52 21.78,26.62 21.23,26.62 21.13,26.52 21.13,25.84 21.03,25.73 20.82,25.73 20.72,25.84 20.72,26.52 20.62,26.62 20.42,26.62 20.32,26.52 20.32,25.84 20.21,25.73 20.01,25.73 19.91,25.84 19.91,26.52 19.81,26.62 19.6,26.62 19.5,26.52 19.5,25.84 19.4,25.73 19.2,25.73 19.1,25.84 19.1,26.52 18.99,26.62 18.79,26.62 18.69,26.52 18.69,25.84 18.59,25.73 18.39,25.73 18.28,25.84 18.28,26.52 18.18,26.62 17.66,26.62 17.19,27.09 15.53,27.09 15.53,27.09 v2(15.12,27.09)